# Altium PCB Search Light V1.0.PcbDoc
Units mil, origin at the board's own origin, x right, y up, seen from the top; angles counter-clockwise.
Board outline 876.17 x 876.17 mil, 2 copper layers (Top Layer, Bottom Layer); 12 components, 10 nets, 32 pads, 19 vias.
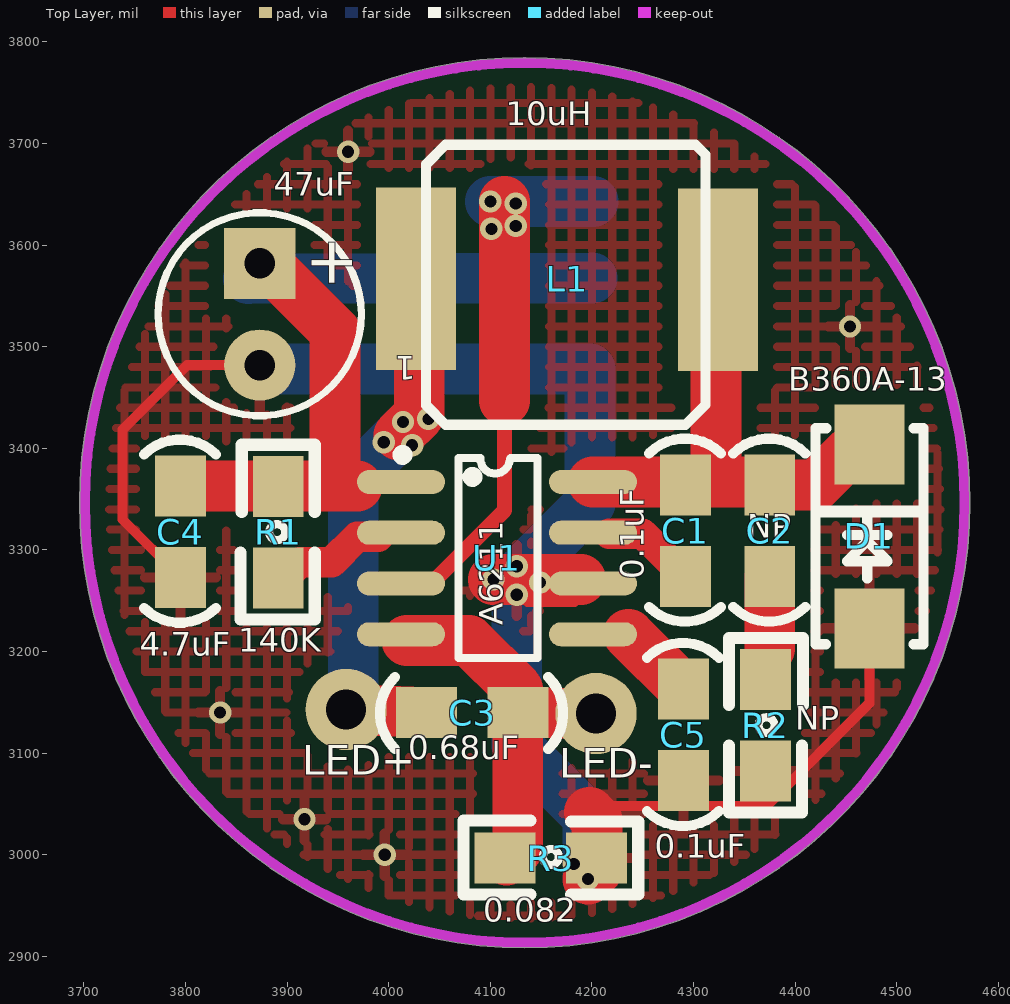
[diagram p0: Top Layer view]
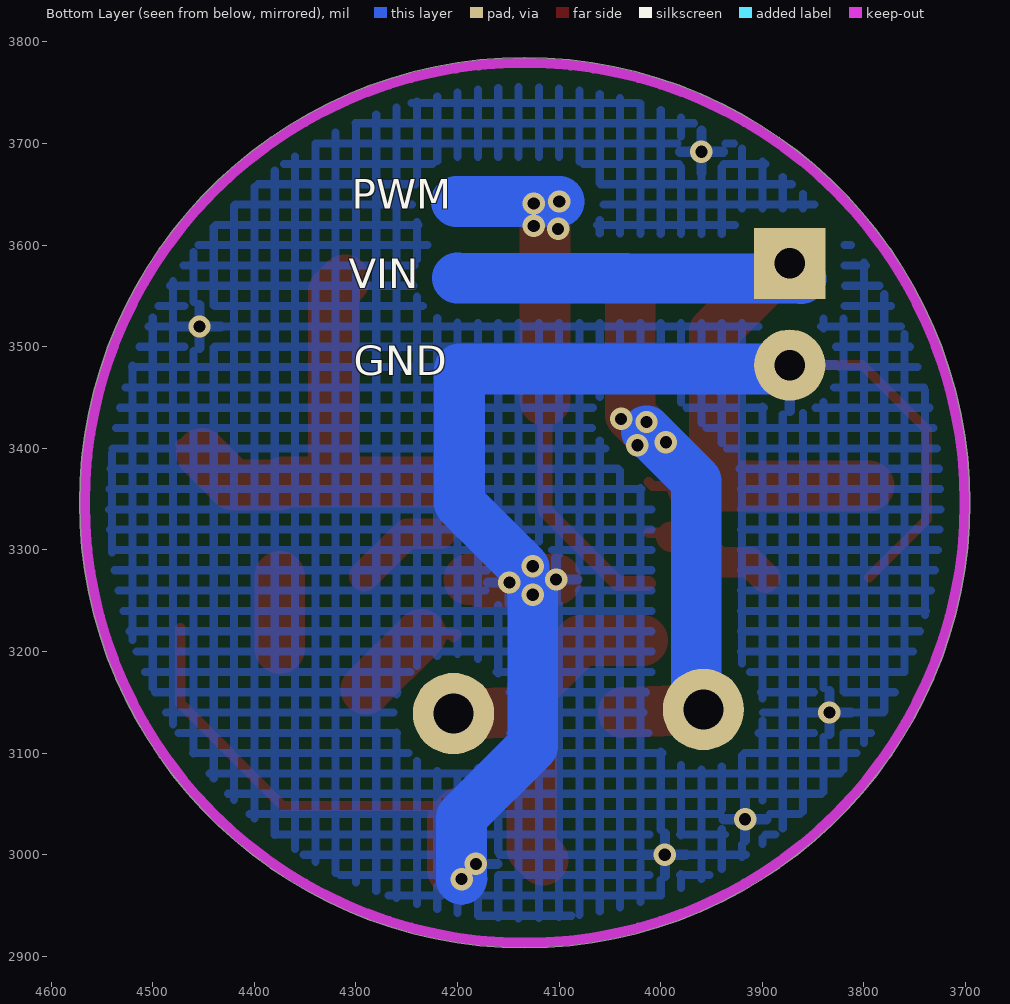
[diagram p1: Bottom Layer view, seen from below]
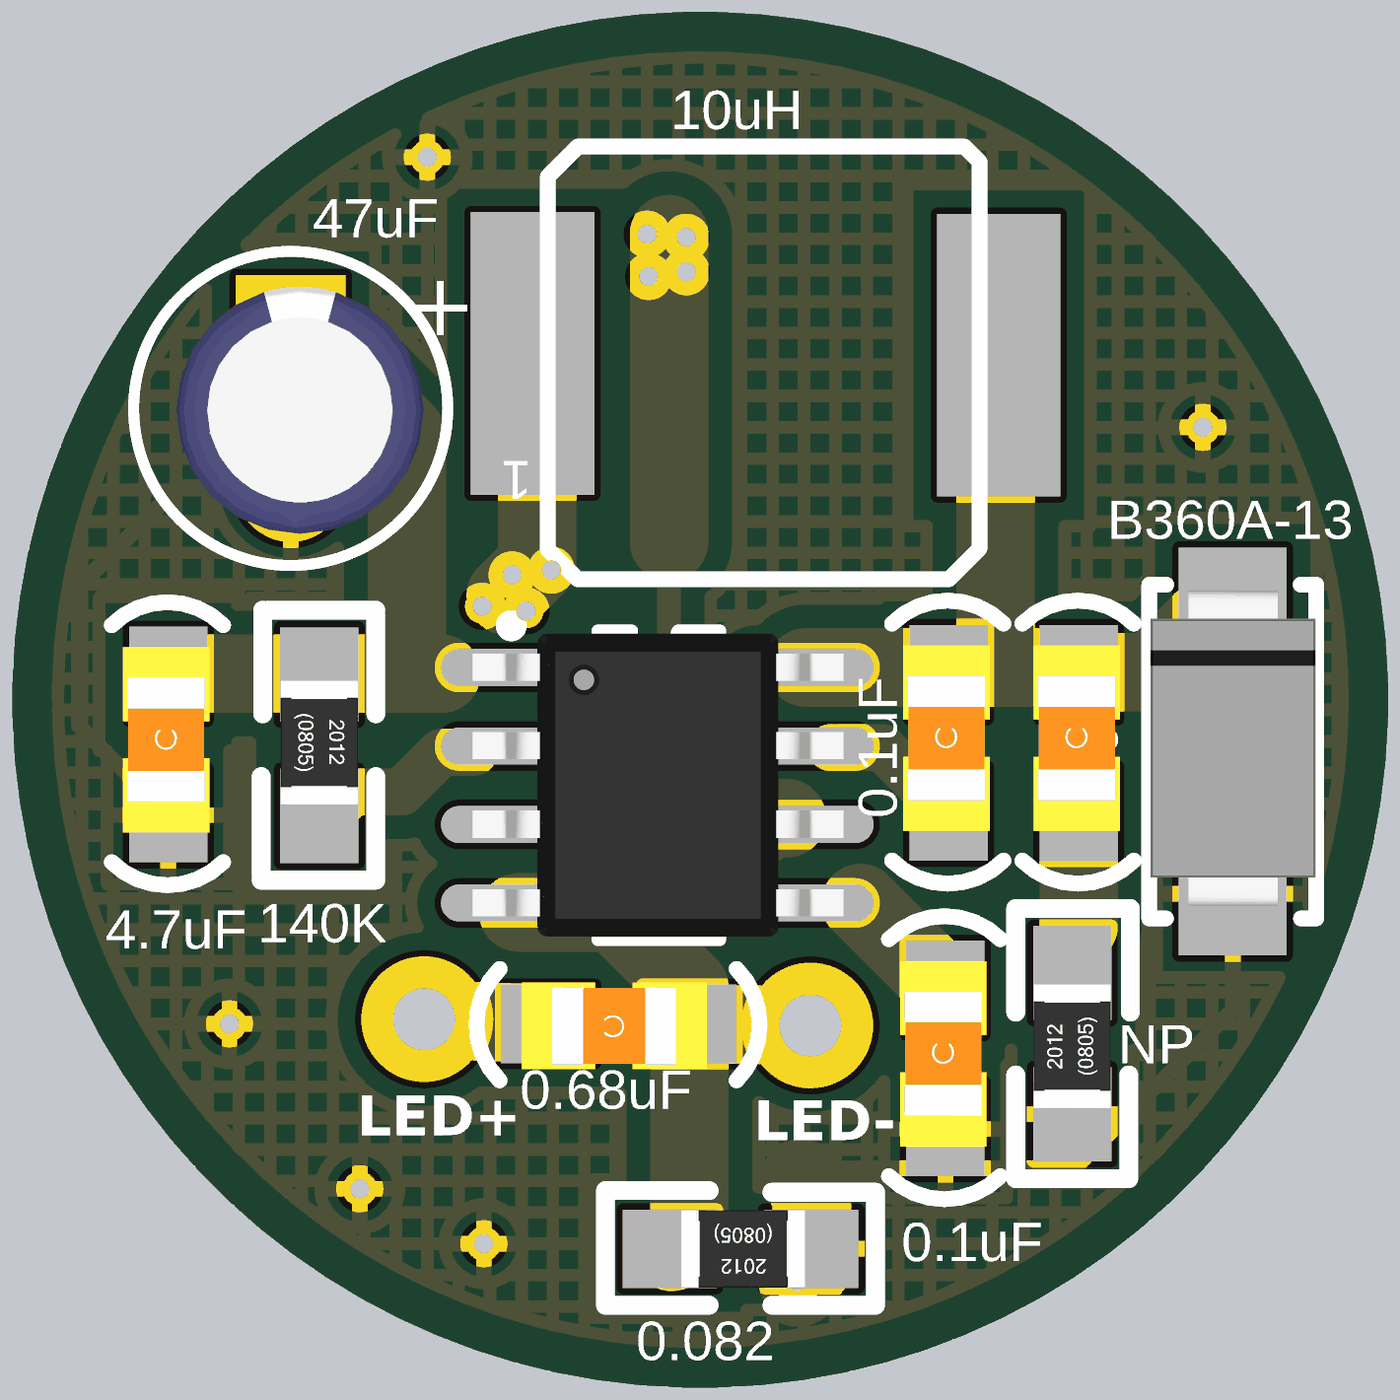
[diagram p2: 3D render of the assembled board from above, using the file's embedded part models]

## Layer stack, top to bottom
Top Solder: solder mask 0.4, Solder Resist, Dk 3.5
Top Layer: signal copper 1.4
Dielectric 1: dielectric 12.6, FR-4, Dk 4.8
Bottom Layer: signal copper 1.4
Bottom Solder: solder mask 0.4, Solder Resist, Dk 3.5

## Board outline
3695.77,3346.46 ccw(c4133.86,3346.46) 4133.86,2908.37 ccw(c4133.86,3346.46) 4571.94,3346.46 ccw(c4133.86,3346.46) 4133.86,3784.54 ccw(c4133.86,3346.46)

## Design rules (kind name [scope] priority, off if disabled: settings)
Clearance [All] p1: gap=10
PolygonConnect [All] p1: connectstyle=Relief reliefconductorwidth=10 reliefentries=4 polygonreliefangle="90 Angle" airgapwidth=10
RoutingVias [All] p1: holewidth=28 width=50 viastyle="Through Hole" minholewidth=28 minwidth=50 maxholewidth=28 maxwidth=50
SolderMaskExpansion [All] p1: expansion=4
Width [All] p1: maxlimit=120 minlimit=10 preferedwidth=10 minimp=50.000000 maximp=50.000000 favimp=50.000000
30 further rules are at their usual default settings.

## Classes and differential pairs
component class Sheet1: C1 C2 C3 C5 D1 L1 R1 R2 R3 U1

## Components (designator, comment, footprint, x,y, rotation, side; value= is the part's Value field where it differs from the comment)
1 "47uF" RB.1.2 3873,3582 r270 top
C1 "0.1uF" 0805C 4292,3279 r90 top
C2 "NP" 0805C 4375,3279 r90 top
C3 "0.68uF" 0805C 4122,3140 r180 top
C4 "4.7uF" 0805C 3795,3278 r90 top
C5 "0.1uF" 0805C 4290,3078 r90 top
D1 "B360A-13" SMA/DO-214AC 4474,3229.9 r90 top
L1 "10uH" "电感 220uh" 4322.11,3568.56 r180 top locked
R1 "140K" 0805R 3890,3358 r270 top
R2 "NP" 0805R 4372,3087 r90 top
R3 "0.082" 0805R 4200,2998 r180 top
U1 "A6211" SOP-8 4013.49,3366 r0 top

## Footprints (in the part's own frame and the unit in brackets; to place one, negate y for a bottom-side part, rotate by r counter-clockwise, add the part's x,y. Pads: shape width x height; smd on the part's side, far side on the other; paste and mask are expansions set on the pad)
0805C [mil]
  rect 60x50 smd: 1(-5,0) 2(85,0)
  silkscreen extent -50,-35 131,36, body extent -16,-26 102,29, height 37
0805R [mil]
  rect 60x50 smd: 1(-4.51,1.2) 2(85.49,1.2)
  silkscreen extent -46,-36 126,37, body extent -1,-23 78,26, height 18
RB.1.2 [mil]
  rect 70x70 hole 30: 1(0,0)
  round 70 hole 30: 2(100,0)
  silkscreen extent -50,-100 150,100, body extent -28,-73 130,85, height 278
SMA/DO-214AC [mm]
  rect 2x1.75 smd: 1(-0.178,0.025) 2(4.422,0.025)
  silkscreen extent -0.58,-1.32 4.82,1.38, body extent -0.38,-1.32 4.73,1.35, height 2.12
SOP-8 [mm]
  oval 2.2x0.6 smd: 1(-0.038,0.025) 2(-0.038,-1.245) 3(-0.038,-2.515) 4(-0.038,-3.785) 5(4.762,-3.785) 6(4.762,-2.515) 7(4.762,-1.245) 8(4.762,0.025)
  silkscreen extent -0.12,-4.38 3.37,0.82, body extent -0.62,-4.33 5.38,0.58, height 1.7
"电感 220uh" [mm]
  rect 2x4.572 smd: 1(-0.048,0.065) 2(7.496,0.04)
  silkscreen extent 0.26,-3.31 7.25,3.69, body extent 0.2,-3.4 7.32,3.71, height 4

## Part data
1: library part Cap3, "直插极性电容"
C1 C2 C3 C4 C5: library part Cap1, "无极贴片电容"
D1: library part Diode, "二极管"
L1: library part L, "电感"
R1 R2 R3: library part Res, "电阻"

## Free pads (board coordinates)
  round 80 hole 39.37: 7(3958,3143) 8(4204,3139)

## Via types
v1: diameter 22, hole 12, Top Layer to Bottom Layer, 19 vias

## Nets (pads, with @x,y where several pads share a name; then routed paths per layer and width w, separated by ;. In a path a pad name is that pad's centre, name@x,y a point inside that pad or via, vN(x,y) a via of type N, cw(c..) or ccw(c..) an arc to the next point about the centre after c; other vN are vias at no path point)
GND: 1.2 C4.1 C5.1 D1.1 R2.1 R3.1 U1.6 | length 1850.8
  Top Layer w10: C4.1 3738,3330 3738,3418.35 3801.65,3482 1.2 ; v1(4103,3271) 4104,3270 4105,3271 4118,3284 v1(4126,3284) ; v1(4126,3256) 4129.62,3256 4136.81,3248.81 4182.79,3248.81 U1.6 ; U1.6@4189,3271 U1.6@4193,3267 ; 4204,3048 4372,3048 4473,3149 D1.1
  Top Layer w50: v1(4103,3271) 4105,3271 U1.6@4189,3271 ; v1(4196,2976) 4205,2985 4205,3034.31 4197.51,3041.8
  Bottom Layer w50: 1.2@3872,3478 4198,3478 4198,3346 v1@4134.5,3282.5 ; v1(4126,3256) 4126,3107 4196,3037 v1(4196,2976)
  other v1: 4182,2991 3996,3000 3917,3035 3834,3140 4149,3268 4454,3520 3960,3692
LED+: C3.2 L1.2 pad.7 | length 545.2
  Top Layer w10: L1.2@4014,3567 4013,3566 L1.2@4030,3549
  Top Layer w50: pad.7 C3.2 ; 4010,3413 4030,3433 L1.2@4030,3549
  Bottom Layer w50: pad.7@3965,3140.88 3965,3368 v1@4014,3417
  other v1: 4023,3403 3995,3406 4014,3426 4039,3429
LED-: C3.1 pad.8 R3.2 U1.4 | length 387.2
  Top Layer w20: U1.4 U1.4@4018,3211 ; C3.1 C3.1@4127,3163
  Top Layer w50: U1.4@4018,3211 4079,3211 C3.1@4127,3163 ; R3.2@4115.83,2994.79 4127,3005.96 C3.1 pad.8
LED-PWM: U1.3 | length 536.8
  Top Layer w15: U1.3 4042.02,3267 4114,3338.98 4114,3447
  Top Layer w50: 4114,3447 4114,3643
  Bottom Layer w50: v1(4100,3643) 4201,3643
  other v1: 4101,3616 4125,3619 4125,3641
NetC1_1: C1.1 U1.7 | length 108.8
  Top Layer w10: U1.7 4216,3317 U1.7@4217,3316
  Top Layer w30: U1.7@4217,3316 4249.64,3316 4256.64,3309 4257,3309 C1.1
NetC1_2: C1.2 C2.2 D1.2 L1.1 U1.8 | length 499.6
  Top Layer w10: C1.2@4307,3367 4322,3382 ; C2.2@4372,3367 C2.2 ; D1.2@4452,3395 4464,3395 D1.2
  Top Layer w50: U1.8 4307,3367 C2.2@4372,3367 ; L1.1@4311,3566 4322,3555 4322,3382 ; C2.2 4421,3364 D1.2@4452,3395
NetC2_1: C2.1 R2.2 | length 71
  Top Layer w50: 4375,3203 C2.1
NetC5_2: C5.2 U1.5 | length 115.7
  Top Layer w10: U1.5@4204,3213.98 U1.5 U1.5@4236,3217
  Top Layer w50: U1.5@4236,3217 C5.2
NetR1_2: R1.2 U1.2 | length 150.9
  Top Layer w10: R1.2@3897.2,3272.51 R1.2@3913.69,3289 ; U1.2@3993.71,3317 U1.2
  Top Layer w30: R1.2@3897.2,3272.51 3912.39,3287.69 3943.69,3287.69 3969,3313 U1.2@3989.71,3313
VIN: 1.1 C4.2 R1.1 U1.1 | length 847.6
  Top Layer w10: 1.1 1.1@3880,3582 ; 3938,3363 4008,3363 U1.1
  Top Layer w50: C4.2 3969,3363 ; 1.1@3880,3582 3947,3515 3947,3378 3932,3363
  Bottom Layer w50: 1.1@3862,3567 4199.99,3567.59

## Polygon pours and split planes (outlines as drawn)
GND on Top Layer "Bottom Layer-No Net" (hatched 90Degree grid 20 track 8, remove dead copper, pour order 26): 3613,3860 4342,3860 4772,3430 4653,3311 4653,2916 4158.11,2884.11 3652,2916 3641,2905
GND on Bottom Layer "Bottom Layer-No Net" (hatched 90Degree grid 20 track 8, remove dead copper, pour order 28): 3612,3855 3615,3852 4371,3852 4371,3810 4768,3413 4651,3296 4651,2911 4162.61,2879.61 3660,2911 3658,2913 3615,2956 3615,3859

## Keep-outs
Keep-Out Layer:
  circle w10: c4133.86,3346.46 r433.07

## Silkscreen, mask and mechanical layers (free items; w line width, h text height)
Top Overlay:
  text "LED+" at 3915,3069 h50
  text "LED-" at 4168,3066 h50
Bottom Overlay:
  text "PWM" at 4304,3626 h50
  text "VIN" at 4307,3548 h50
  text "GND" at 4302,3462 h50
Bottom Solder:
  lines w50: 4110,3478 4198,3478 ; 4113,3568 4201,3568 ; 4113,3644 4201,3644

## Text inside footprints (layer, text, board x,y; h text height)
1: Top Overlay "+" at 3909,3556 h78.74 r270